# Altium PCB IStoreMedicinv1.PcbDoc (part 1 of 2)
Units mm, origin at the board's own origin, x right, y up, seen from the top; angles counter-clockwise.
Board outline 195 x 97.5 mm, 2 copper layers (Top Layer, Bottom Layer); 201 components, 207 nets, 1110 pads, 82 vias.
Unrouted connection lines stored in the file: 52.
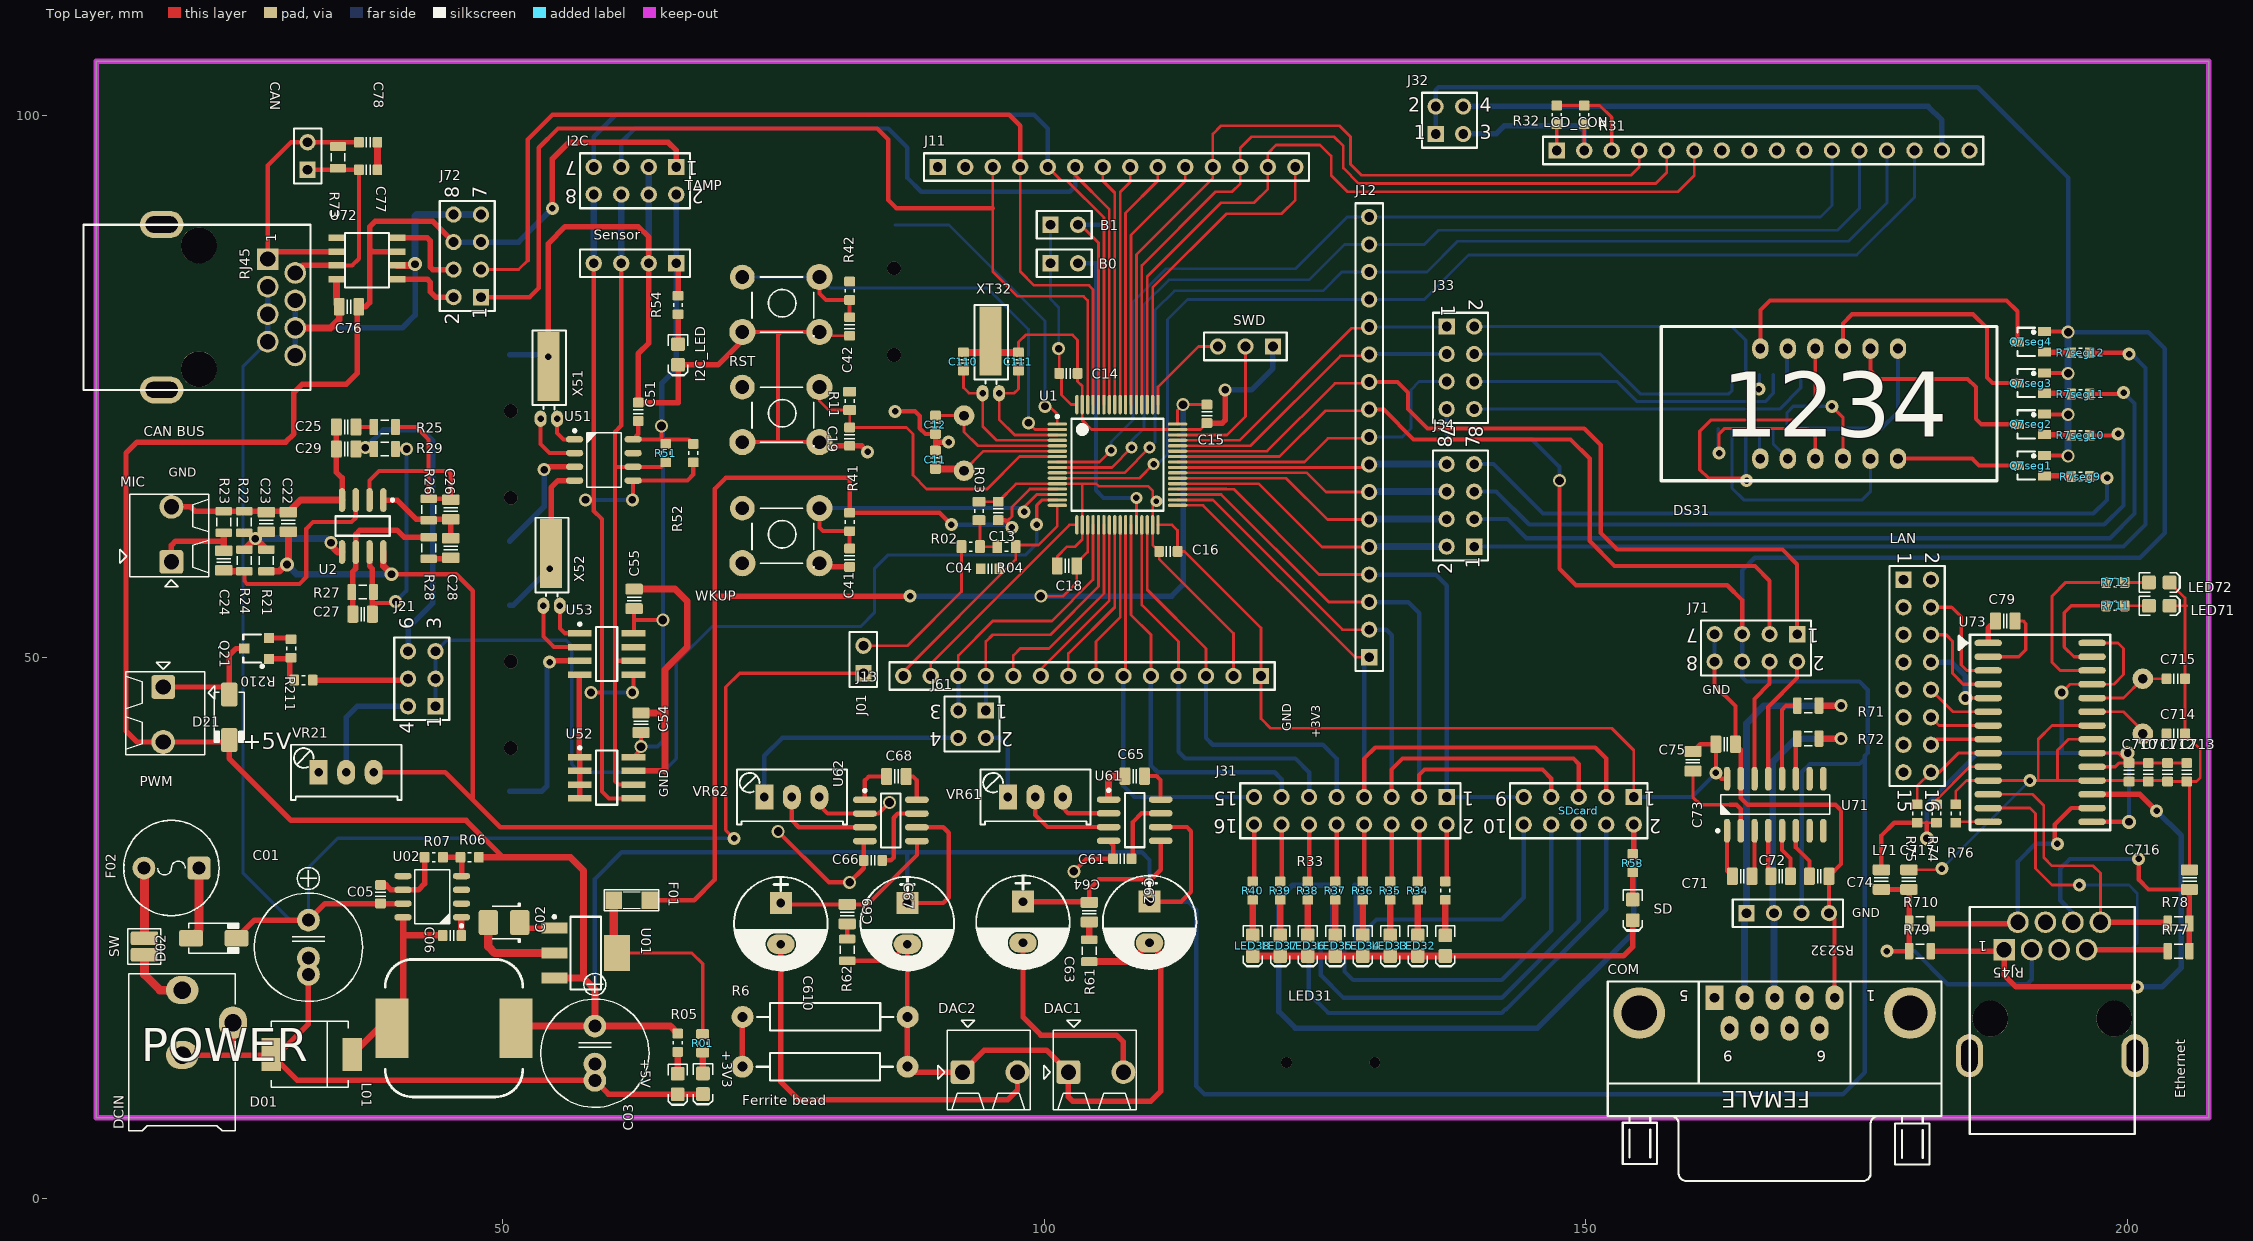
[diagram p0: Top Layer view]
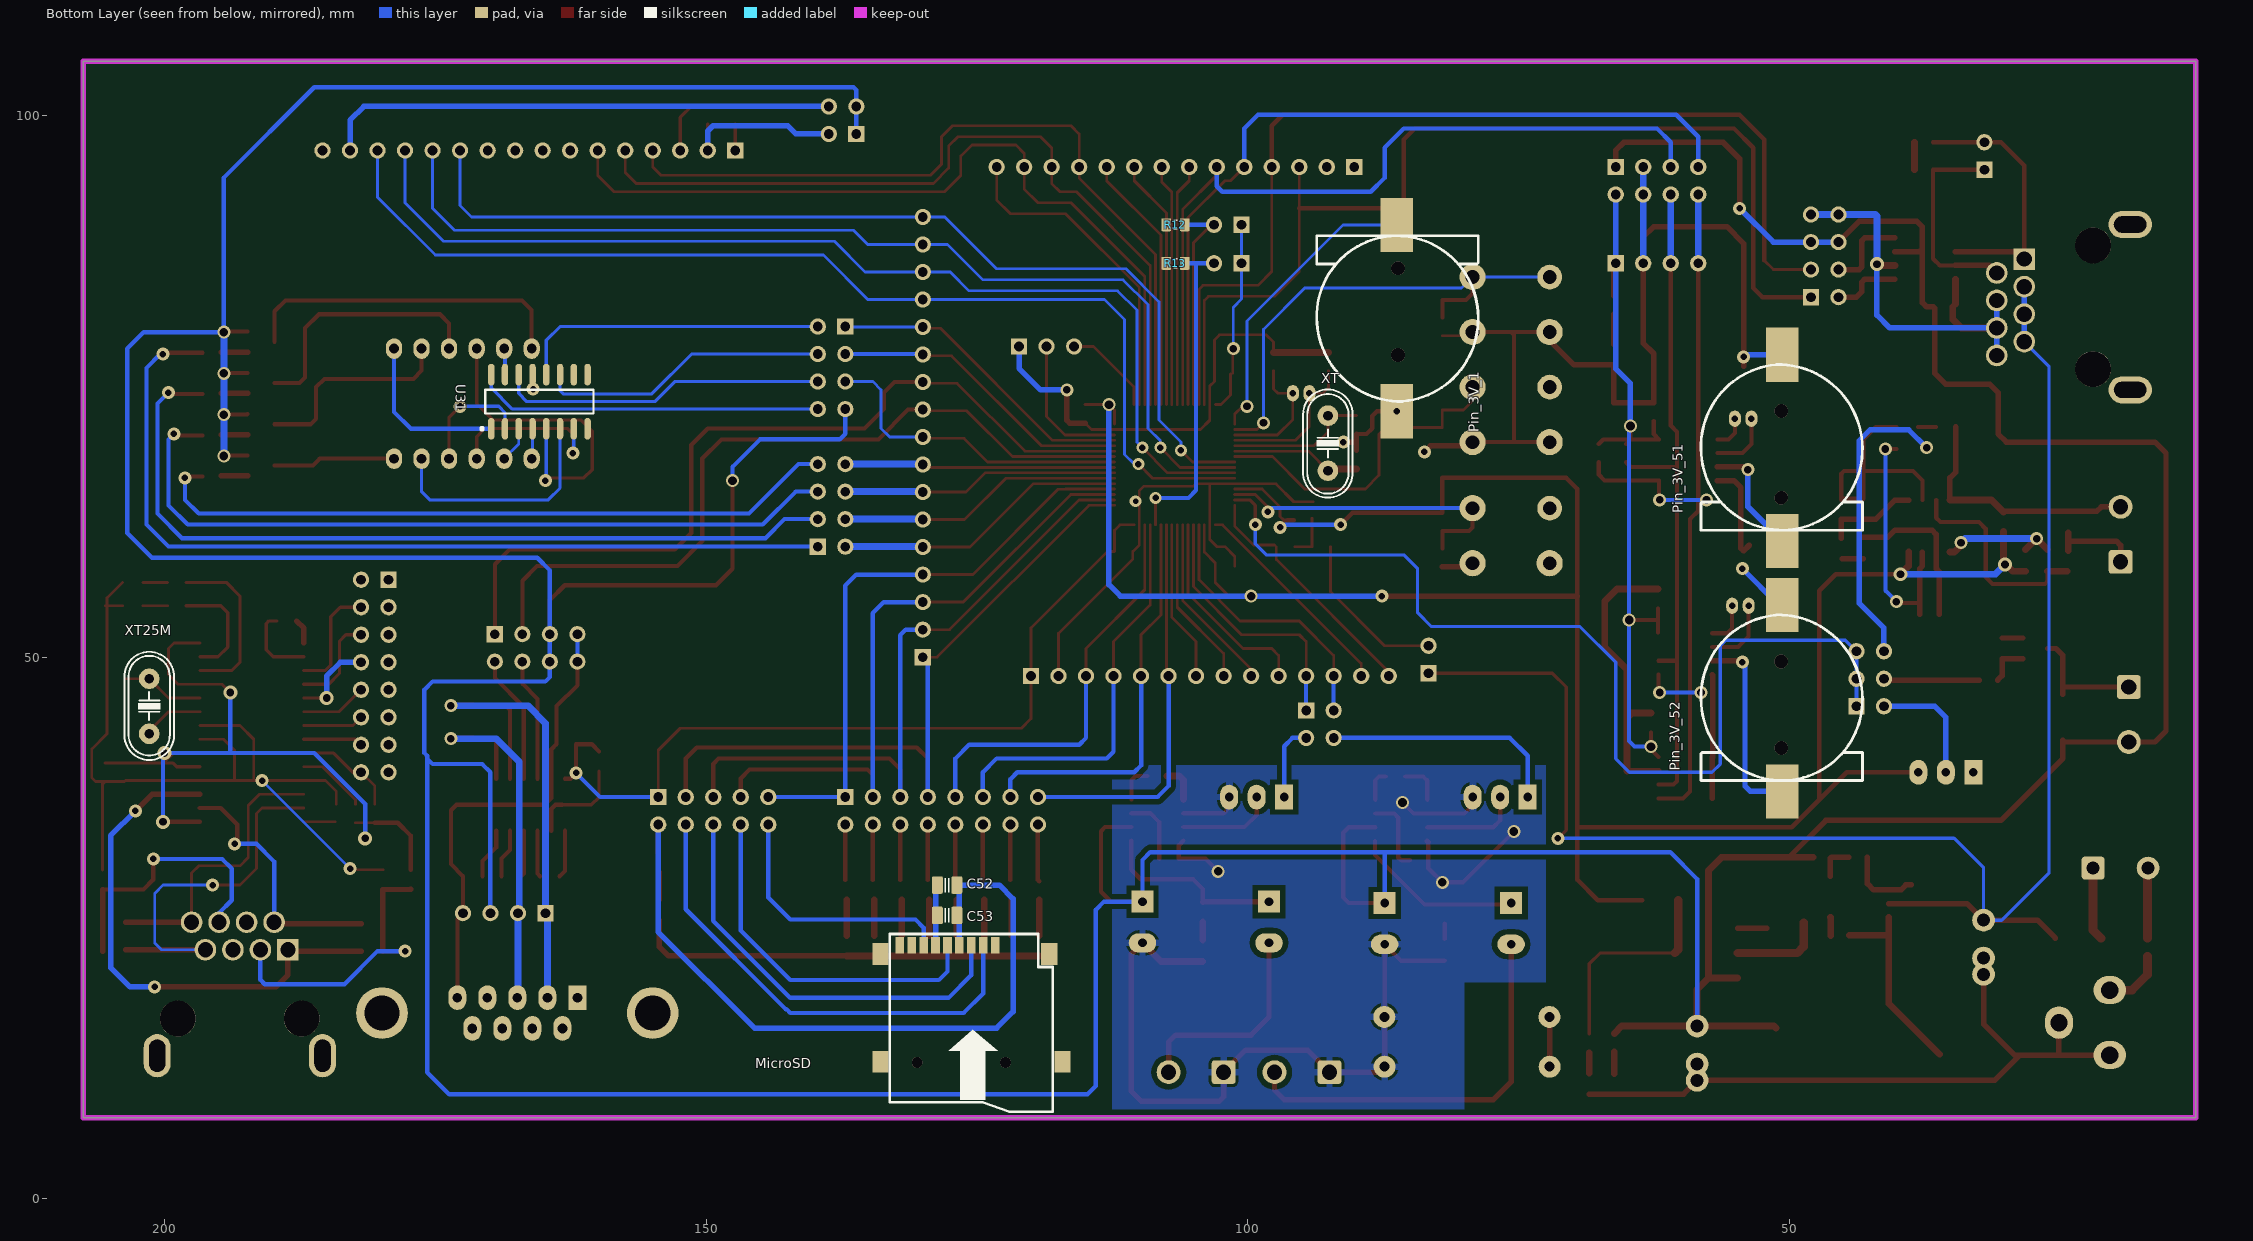
[diagram p1: Bottom Layer view, seen from below]
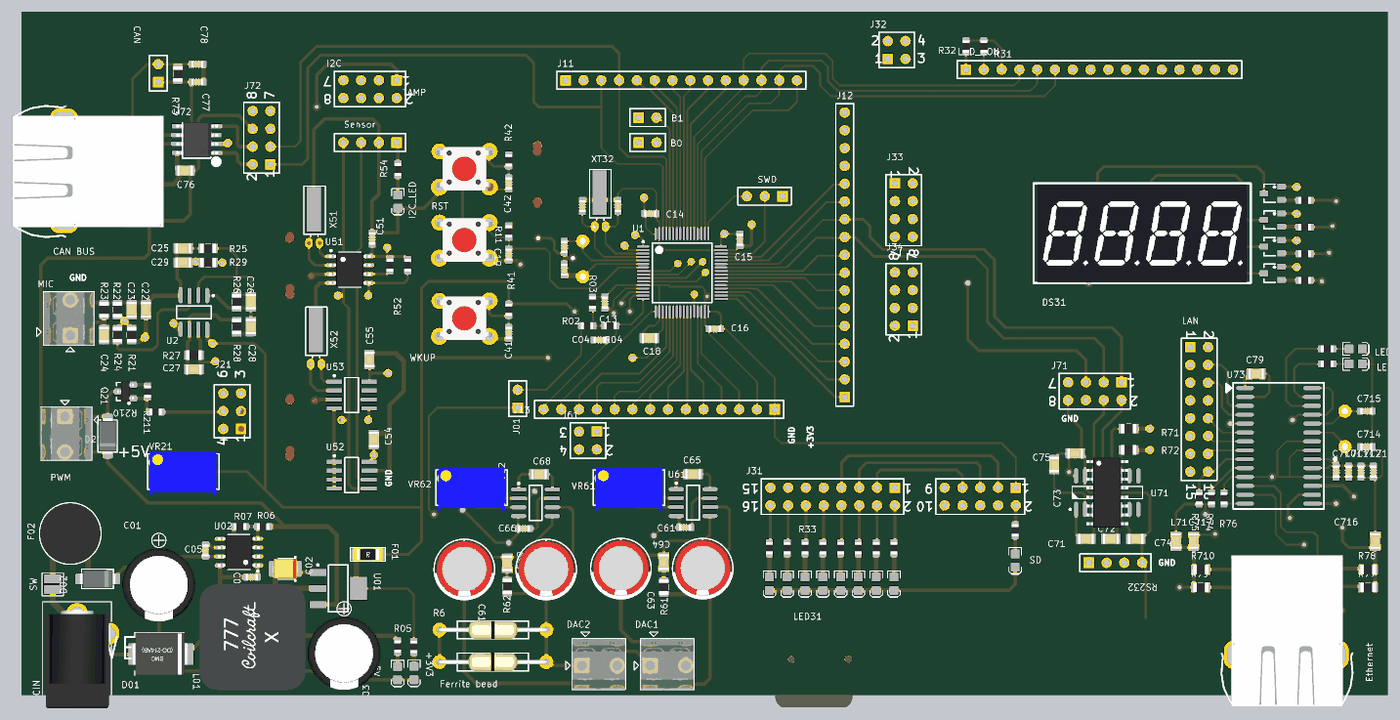
[diagram p3: 3D render of the assembled board from above, using the file's embedded part models]
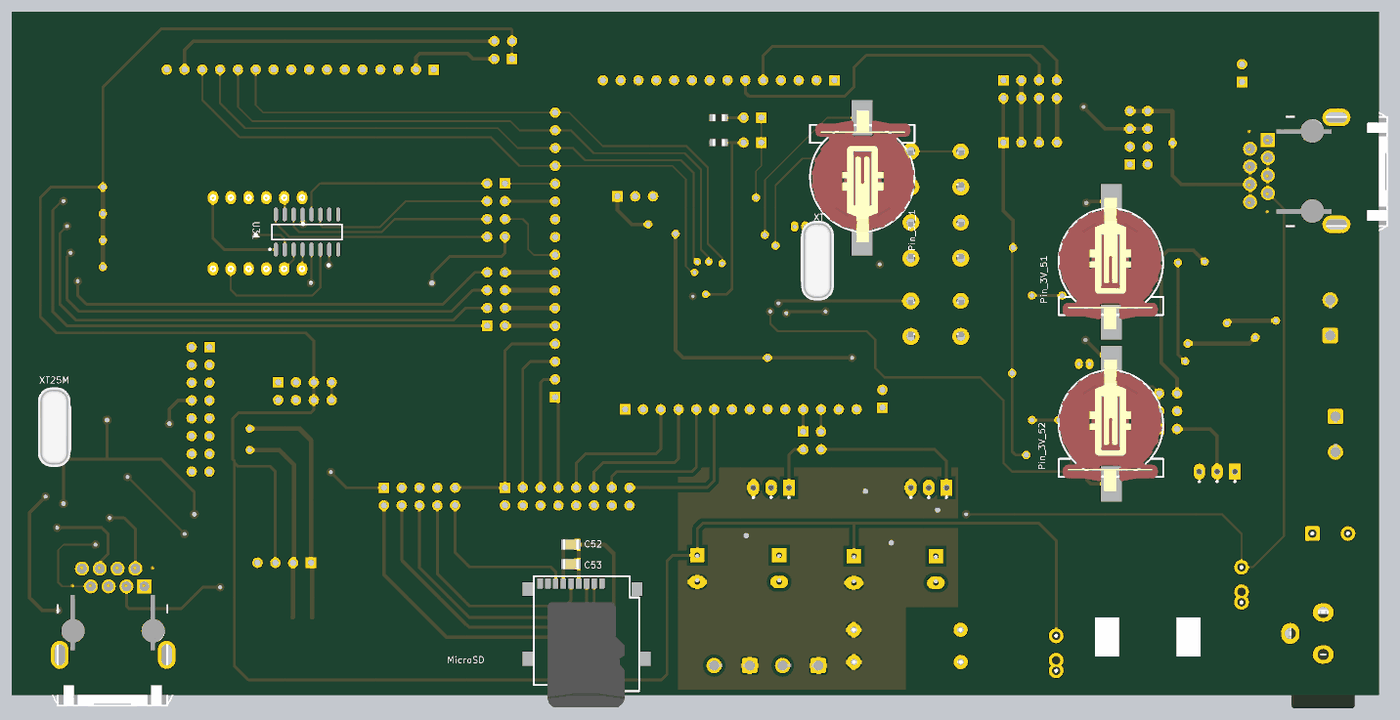
[diagram p4: 3D render of the assembled board from below, using the file's embedded part models]

## Layer stack, top to bottom
Top Solder: solder mask 0.0102, Solder Resist, Dk 3.5
Top Layer: signal copper 0.0356
Dielectric 1: dielectric 0.32, FR-4, Dk 4.8
Bottom Layer: signal copper 0.0356
Bottom Solder: solder mask 0.0102, Solder Resist, Dk 3.5

## Board outline
12.5,7.5 207.5,7.5 207.5,105 12.5,105

## Design rules (kind name [scope] priority, off if disabled: settings)
Clearance [All] p1: gap=0.3
PlaneConnect [All] p1: planeconnectstyle=Relief reliefexpansion=0.508 reliefentries=4 reliefconductorwidth=0.889 reliefairgap=0.254
PolygonConnect [All] p1: connectstyle=Relief reliefconductorwidth=0.635 reliefentries=4 polygonreliefangle="90 Angle" airgapwidth=0.254
RoutingVias [All] p1: holewidth=0.7 width=1.2 viastyle="Through Hole" minholewidth=0.6 minwidth=1.1 maxholewidth=5 maxwidth=5
SolderMaskExpansion [All] p1: expansion=0.102
Width [All] p1: maxlimit=5 minlimit=0.254 preferedwidth=0.4
29 further rules are at their usual default settings.

## Classes and differential pairs
component class "[06] Output": C61 C62 C63 C64 C65 C66 C67 C68 C69 C610 DAC1 DAC2 "Ferrite bead" J61 R6 R61 R62 U61 U62 VR61 VR62
component class "[05] RTCvsMMC": C51 C52 C53 C54 C55 I2C I2C_LED MicroSD Pin_3V_51 Pin_3V_52 R51 R52 R53 R54 SD SDcard Sensor U51 U52 U53 X51 X52
component class "[04] Input": C41 C42 R41 R42 TAMP WKUP
component class "[03] LCD": DS31 J31 J32 J33 J34 LCD_CON LED31 LED32 LED33 LED34 LED35 LED36 LED37 LED38 Q7seg1 Q7seg2 Q7seg3 Q7seg4 R7seg9 R7seg10 R7seg11 R7seg12 R31 R32 R33 R34 R35 R36 R37 R38 R39 R40 U31
component class "[02] Amplier": C22 C23 C24 C25 C26 C27 C28 C29 D21 J21 MIC PWM Q21 R21 R22 R23 R24 R25 R26 R27 R28 R29 R210 R211 U2 U3 VR21
component class "[01] MCU": B0 B1 C11 C12 C13 C14 C15 C16 C18 C19 C110 C111 J11 J12 J13 Pin_3V_1 R11 R12 R13 RST SWD U1 XT XT32
component class "[00] Power": +3V3 +5V C01 C02 C03 C04 C05 C06 D01 D02 DCIN F01 F02 J01 L01 R01 R02 R03 R04 R05 R06 R07 SW U01 U02
component class "[07] Communication": C71 C72 C73 C74 C75 C76 C77 C78 C79 C710 C711 C712 C713 C714 C715 C716 C717 CAN "CAN BUS" COM Ethernet J71 J72 L71 LAN LED71 LED72 R71 R72 R73 R74 R75 R76 R77 R78 R79 R710 R711 R712 RS232 U71 U72 U73 XT25M

## Components (designator, comment, footprint, x,y, rotation, side; value= is the part's Value field where it differs from the comment)
+3V3 "Blue" LED-0805-K 68.504,10.617 r270 top
+5V "Blue" LED-0805-K 66.167,10.592 r270 top
B0 "Header 2" HDR1X2 100.584,86.36 r0 top
B1 "Header 2" HDR1X2 100.584,89.916 r0 top
C01 "Cap" CAPE3.5-5.0MM_Rad_10x14mm 32.08,23.216 r270 top
C02 "Cap_10uF" CAPMP3528X210N 50.14,25.502 r180 top
C03 "Cap" CAPE3.5-5.0MM_Rad_10x14mm 58.522,13.437 r270 top
C04 "Cap_103_0603" CAPC1608N 94.996,58.166 r0 top
C05 "approved sub OK" CAPC1608N 38.735,28.118 r90 top
C06 "approved sub OK" CAPC1608N 45.339,24.308 r180 top
C11 "Cap_22p_0603" CAPC1608N 89.967,68.224 r90 top
C12 "Cap_22p_0603" CAPC1608N 89.967,71.45 r270 top
C13 "Cap_104_0603" CAPC1608N 95.758,63.5 r270 top
C14 "Cap_104_0603" CAPC1608N 102.235,76.2 r180 top
C15 "Cap_104_0603" CAPC1608N 115.022,72.463 r90 top
C16 "Cap_104_0603" CAPC1608N 111.466,59.763 r0 top
C18 "Cap_10uF_0805" CAPC2012N_F#1 102.108,58.42 r0 top
C19 "Cap_104_0603" CAPC1608N 82.042,70.358 r90 top
C22 "CAP NP" CAPC2012N_F#1 30.226,62.484 r270 top
C23 "CAP NP" CAPC2012N_F#1 28.194,62.484 r270 top
C24 "CAP NP" CAPC2012N_F#1 24.257,58.928 r90 top
C25 "CAP NP" CAPC2012N_F#1 35.56,71.247 r0 top
C26 "CAP NP" CAPC2012N_F#1 45.212,63.627 r90 top
C27 "CAP NP" CAPC2012N_F#1 37.084,53.975 r180 top
C28 "CAP NP" CAPC2012N_F#1 45.212,60.071 r90 top
C29 "CAP NP" CAPC2012N_F#1 35.56,69.215 r180 top
C41 "CAP NP" CAPC1608N 82.042,59.182 r90 top
C42 "CAP NP" CAPC1608N 82.042,80.518 r90 top
C51 "approved sub OK" CAPC1608N 62.527,72.649 r90 top
C52 "CAP NP" CAPC2012N_F#2 127.762,28.956 r180 bottom
C53 "CAP NP" CAPC2012N_F#2 127.762,26.162 r180 bottom
C54 "CAP NP" CAPC2012N_F#1 62.781,43.947 r90 top
C55 "CAP NP" CAPC2012N_F#1 62.146,55.377 r90 top
C61 "CAP NP" CAPC1608N 107.213,31.394 r0 top
C62 "Cap" "CAP 3.8mm" 109.753,25.552 r270 top
C63 "Cap" "CAP 3.8mm" 98.069,25.552 r270 top
C64 "CAP NP" CAPC2012N_F#3 104.165,26.452 r270 top
C65 "CAP NP" CAPC2012N_F#1 108.356,39.014 r180 top
C66 "CAP NP" CAPC1608N 84.201,31.242 r0 top
C67 "Cap" "CAP 3.8mm" 87.401,25.425 r270 top
C68 "CAP NP" CAPC2012N_F#1 86.36,38.989 r180 top
C69 "CAP NP" CAPC2012N_F#3 81.813,26.279 r270 top
C71 "Cap_1206_104" CAPC2012N_F#1 164.435,29.77 r0 top
C72 "Cap_1206_104" CAPC2012N_F#1 167.991,29.77 r180 top
C73 "Cap_1206_104" CAPC2012N_F#1 159.893,40.386 r270 top
C74 "Cap_1206_104" CAPC2012N_F#1 171.547,29.77 r180 top
C75 "Cap_1206_104" CAPC2012N_F#1 162.911,41.962 r180 top
C76 "Cap_10uF_0805" CAPC2012N_F#1 35.822,82.347 r0 top
C77 "Cap_22p_0603" CAPC1608N 37.592,94.996 r180 top
C78 "Cap_22p_0603" CAPC1608N 37.592,97.536 r180 top
C79 "CAP NP" CAPC2012N_F#3 188.722,53.34 r180 top
C110 "Cap_22p_0603" CAPC1608N 92.543,77.289 r90 top
C111 "Cap_22p_0603" CAPC1608N 97.623,77.289 r90 top
C610 "Cap" "CAP 3.8mm" 75.717,25.425 r270 top
C710 "CAP NP" CAPC1608N 200.152,39.37 r90 top
C711 "CAP NP" CAPC1608N 201.93,39.37 r90 top
C712 "CAP NP" CAPC1608N 203.708,39.37 r90 top
C713 "CAP NP" CAPC1608N 205.486,39.37 r90 top
C714 "Cap_22p_0603" CAPC1608N 204.47,42.926 r0 top
C715 "Cap_22p_0603" CAPC1608N 204.47,48.006 r0 top
C716 "CAP NP" CAPC2012N_F#3 205.74,29.464 r270 top
C717 "CAP NP" CAPC2012N_F#3 179.832,29.464 r90 top
CAN "Header 2" HDR1X2 32.004,94.996 r90 top
"CAN BUS" "RJ45 socket" RJ45 32.258,74.701 r90 top
COM "COM 9 FEMALE" "DB 9 Female" 151.89,0.965 r0 top
D01 "TVS 5V" "SMD diode" 36.246,13.335 r180 top
D02 "SS14" DO-214AC 23.343,24.054 r0 top
D21 "Diode" DO-214AC 24.765,44.45 r270 top
DAC1 "Stackable ScrewTerm" 2P_PCB_ScrewTerm_200mil 99.949,16.51 r270 top
DAC2 "Stackable ScrewTerm" 2P_PCB_ScrewTerm_200mil 90.17,16.51 r270 top
DCIN "CONN_PWR_JACK_2.1x5.5mm" CONN_PWR_JACK_2.1x5.5mm 20.422,5.563 r180 top
DS31 "7SEGQ" 7segx4_small 166.116,68.326 r0 top
Ethernet "RJ45 socket" RJ45 200.66,26.924 r180 top
F01 "fuse_200mA_0805" "SMD 1206" 61.925,27.559 r0 top
F02 "Fuse_2.5A" FUSE_SR-5-BK 19.431,30.531 r180 top
"Ferrite bead" "Res" RESTH_0.0R_AXIAL-0.6 79.756,12.192 r0 top
I2C "Header 4X2" HDR2X4 66.04,95.25 r180 top
I2C_LED "Green" LED-0805-K 66.2,77.938 r270 top
J01 "Header 2" HDR1X2 83.312,48.514 r90 top
J11 "Header 14" HDR1X14 90.17,95.25 r0 top
J12 "Header 17" HDR1X17 130,50 r90 top
J13 "Header 14" HDR1X14 120.015,48.26 r180 top
J21 "Header 3X2A" HDR2X3_CEN 43.815,45.466 r90 top
J31 "Header 8X2" HDR2X8 137.16,37.084 r180 top
J32 "Header 2X2" HDR2X2 136.144,98.298 r0 top
J33 "Header 4X2" HDR2X4 137.16,80.518 r270 top
J34 "Header 4X2" HDR2X4 139.7,60.198 r90 top
J61 "Header 2X2" HDR2X2 94.615,45.085 r180 top
J71 "Header 4X2" HDR2X4 169.515,52.122 r180 top
J72 "Header 4X2" HDR2X4 48.014,83.236 r90 top
L01 "Inductor" "Inductor 12x12x6" 39.167,9.398 r0 top
L71 "Inductor" CAPC2012N_F#3 177.292,29.464 r270 top
LAN "Header 8X2" HDR2X8 179.324,57.15 r270 top
LCD_CON "Header 16" HDR1X16 147.32,96.774 r0 top
LED31 "Blue" LED-0805-K 137.033,23.368 r270 top
LED32 "Blue" LED-0805-K 134.493,23.368 r270 top
LED33 "Blue" LED-0805-K 131.953,23.368 r270 top
LED34 "Blue" LED-0805-K 129.413,23.368 r270 top
LED35 "Blue" LED-0805-K 126.873,23.368 r270 top
LED36 "Blue" LED-0805-K 124.333,23.368 r270 top
LED37 "Blue" LED-0805-K 121.793,23.368 r270 top
LED38 "Blue" LED-0805-K 119.253,23.368 r270 top
LED71 "Blue" LED-0805-K 202.946,54.737 r0 top
LED72 "Blue" LED-0805-K 202.946,56.896 r0 top
MIC "Stackable ScrewTerm" 2P_PCB_ScrewTerm_200mil 14.605,56.515 r0 top
MicroSD "MicroSD" microsd 118.326,22.602 r0 bottom
Pin_3V_1 "3V" CR1220 78.74,88.9 r0 bottom
Pin_3V_51 "3V" CR1220 58.166,61.722 r180 bottom
Pin_3V_52 "3V" CR1220 58.166,38.608 r180 bottom
PWM "Stackable ScrewTerm" 2P_PCB_ScrewTerm_200mil 23.495,49.53 r180 top
Q7seg1 "A1015" SOT23B 191.098,67.685 r90 top
Q7seg2 "A1015" SOT23B 191.098,71.495 r90 top
Q7seg3 "A1015" SOT23B 191.098,75.305 r90 top
Q7seg4 "A1015" SOT23B 191.098,79.115 r90 top
Q21 "C828" "SOT23 TOP" 27.305,50.8 r90 top
R01 "Res_560_0603" RESC1608N_F#1 68.478,14.351 r90 top
R02 "Res_10k_0603" RESC1608N_F#1 93.218,60.198 r180 top
R03 "Res_2k_0603" RESC1608N_F#1 93.98,63.5 r270 top
R04 "Res_560_0603" RESC1608N_F#1 96.52,60.198 r180 top
R05 "Res" RESC1608N_ZERO 66.167,14.402 r90 top
R6 "Res" RESTH_0.0R_AXIAL-0.6 79.781,16.789 r0 top
R06 "Res" RESC1608N_ZERO 46.957,31.526 r0 top
R07 "Res" RESC1608N_ZERO 43.655,31.526 r0 top
R7seg9 "Res" RESC1608N_ZERO 195.67,66.669 r180 top
R7seg10 "Res" RESC1608N_ZERO 195.67,70.479 r180 top
R7seg11 "Res" RESC1608N_ZERO 195.67,74.289 r180 top
R7seg12 "Res" RESC1608N_ZERO 195.67,78.099 r180 top
R11 "Res_10k_0603" RESC1608N_F#1 82.042,73.66 r90 top
R12 "Res_10k_0603" RESC1608N_F#2 106.68,89.916 r180 bottom
R13 "Res_10k_0603" RESC1608N_F#2 106.68,86.36 r180 bottom
R21 "Res" RESC2012N_F#1 28.194,58.928 r270 top
R22 "Res" RESC2012N_F#1 26.162,62.484 r270 top
R23 "Res" RESC2012N_F#1 24.257,62.484 r90 top
R24 "Res" RESC2012N_F#1 26.162,58.928 r270 top
R25 "Res" RESC2012N_F#1 39.116,71.247 r180 top
R26 "Res" RESC2012N_F#1 43.18,63.627 r90 top
R27 "Res" RESC2012N_F#1 37.084,56.007 r180 top
R28 "Res" RESC2012N_F#1 43.18,60.071 r90 top
R29 "Res" RESC2012N_F#1 39.116,69.215 r0 top
R31 "Res" RESC1608N_ZERO 149.86,100.076 r270 top
R32 "Res" RESC1608N_ZERO 147.32,100.076 r90 top
R33 "Res" RESC1608N_ZERO 137.033,28.448 r270 top
R34 "Res" RESC1608N_ZERO 134.493,28.448 r270 top
R35 "Res" RESC1608N_ZERO 131.953,28.448 r270 top
R36 "Res" RESC1608N_ZERO 129.413,28.448 r270 top
R37 "Res" RESC1608N_ZERO 126.873,28.448 r270 top
R38 "Res" RESC1608N_ZERO 124.333,28.448 r270 top
R39 "Res" RESC1608N_ZERO 121.793,28.448 r270 top
R40 "Res" RESC1608N_ZERO 119.253,28.448 r270 top
R41 "Res" RESC1608N_ZERO 82.042,62.484 r90 top
R42 "Res" RESC1608N_ZERO 82.042,83.82 r90 top
R51 "Res" RESC1608N_ZERO 65.067,68.839 r90 top
R52 "Res" RESC1608N_ZERO 67.607,68.839 r90 top
R53 "Res" RESC1608N_ZERO 154.34,30.988 r90 top
R54 "Res" RESC1608N_ZERO 66.2,82.51 r90 top
R61 "Res" RESC2012N_F#1 104.165,22.896 r90 top
R62 "Res" RESC2012N_F#1 81.813,22.977 r90 top
R71 "1k" RESC2012N_F#1 170.531,45.518 r0 top
R72 "1k" RESC2012N_F#1 170.531,42.47 r0 top
R73 "Res_120_0805" RESC2012N_F#1 34.798,96.139 r90 top
R74 "Res" RESC1608N_ZERO 182.372,35.56 r270 top
R75 "Res" RESC1608N_ZERO 180.594,35.56 r270 top
R76 "Res" RESC1608N_ZERO 184.15,35.56 r270 top
R77 "Res" RESC2012N_F#2 204.724,22.86 r180 top
R78 "Res" RESC2012N_F#2 204.724,25.4 r180 top
R79 "Res" RESC2012N_F#2 180.848,22.86 r180 top
R210 "Res" RESC1608N_ZERO 31.623,47.879 r180 top
R211 "Res" RESC1608N_ZERO 30.48,50.8 r270 top
R710 "Res" RESC2012N_F#2 180.848,25.4 r180 top
R711 "Res" RESC1608N_ZERO 198.882,54.737 r0 top
R712 "Res" RESC1608N_ZERO 198.882,56.896 r0 top
RS232 "Header 4" HDR1X4 164.844,26.365 r0 top
RST "Button" SW 75.692,72.644 r0 top
SD "Green" LED-0805-K 154.34,26.67 r270 top
SDcard "Header 5X2" HDR2X5 154.432,37.084 r180 top
Sensor "Header 4" HDR1X4 66.04,86.36 r180 top
SW "Jumper" JUMP1 16.942,23.292 r270 top
SWD "Header 3" HDR1X3 121.118,78.686 r180 top
TAMP "Button" SW 75.692,82.804 r0 top
U01 "AS1117-3V3" SOT223-4N 57.683,22.682 r0 top
U1 "STM32F103RCT6" STM-LQFP64_N 106.767,67.764 r0 top
U2 "LM358AM" M08A_N 37.084,62.103 r270 top
U02 "TPS5430" SOIC127P600X175-8AN 43.51,27.889 r180 top
U31 "74HC595" SOIC16 165.608,73.66 r90 bottom
U51 "DS1307" SOIC127P600X175-8AN 59.352,68.204 r0 top
U52 "24LC16" SOIC-8 59.606,38.867 r0 top
U53 "MCP7940" SOIC-8 59.606,50.297 r0 top
U61 "LM386M-1" M08A_N 108.356,34.95 r0 top
U62 "LM386M-1" M08A_N 85.852,34.925 r0 top
U71 "MAX232" SOIC127P600X175-16AN 167.483,36.374 r90 top
U72 "MCP2551" "SOIC 8" 40.267,83.617 r180 top
U73 "ENC28J60" SOIC-28 191.948,43.053 r0 top
VR21 "10K" VR1 33.02,39.37 r0 top
VR61 "10K" VR1 96.647,37.084 r0 top
VR62 "10K" VR1 74.168,37.084 r0 top
WKUP "Button" SW 75.692,61.468 r0 top
X51 "32.678kHz" XTminiv2 53.002,72.014 r90 top
X52 "32KHz" XTminiv2 53.256,54.742 r90 top
XT "8MHz" XT2 92.608,69.748 r90 bottom
XT25M "25MHz" XT2 201.422,45.466 r270 bottom
XT32 "32k" XTminiv2 93.813,74.368 r90 top
